# KiCad board traffic_paradise.kicad_pcb (continued)
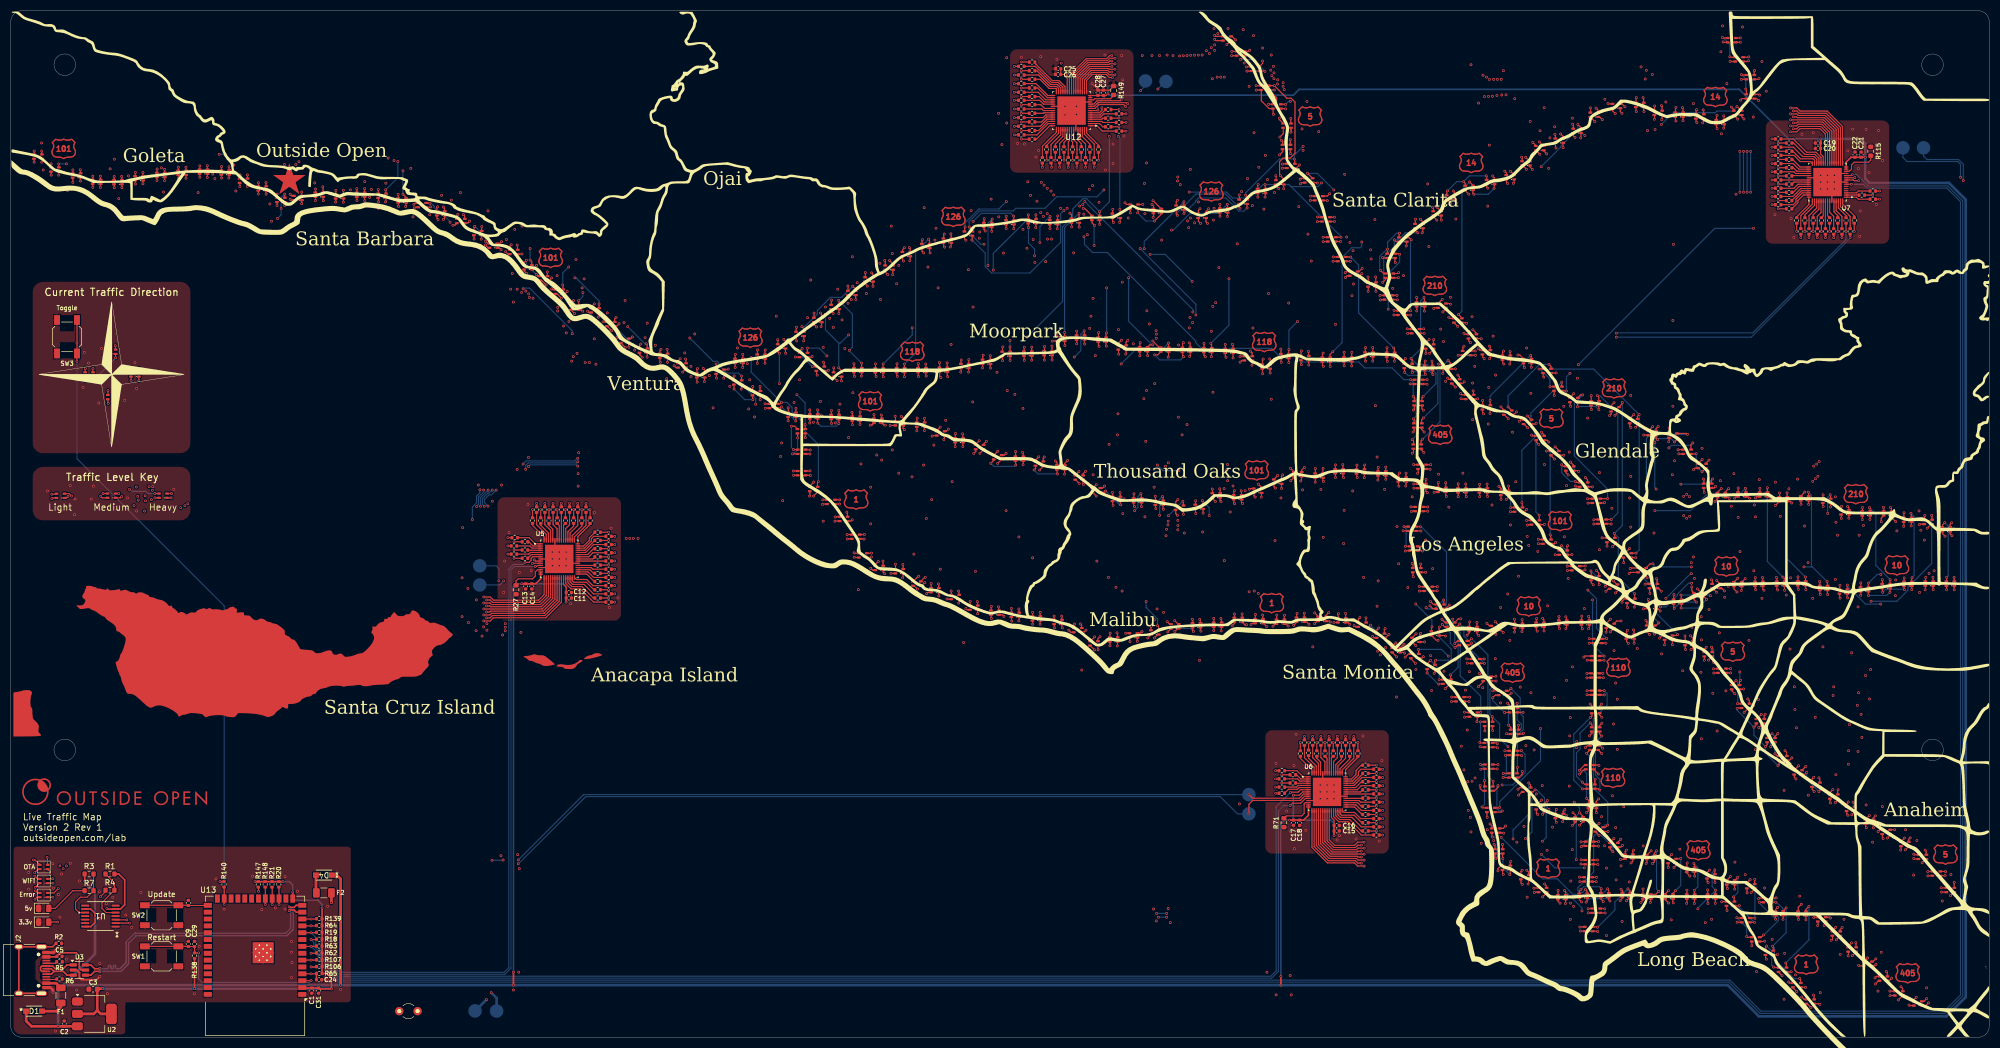
[diagram p0: board, top side]
## Routing (per net, layer and track width the routed paths; a pad name or vN(x,y) marks a point on that pad's centre or on a via; arc(x,y) is an arc through that point) (continued)
/Matrix 4/COL1: length 388.7
  Top w0.203: v1(181.45,126.33) 181.45,126.32 181.45,125.58 ; 166.6,145.55 166.6,146.2 v1(166.45,146.35) ; v1(317.33,170.78) 317.38,170.73 317.38,170.03 ; 228.54,182.73 229.3,182.73 v1(229.53,182.95) ; v1(245.2,152) 245.19,151.99 244.34,151.99 ; v1(193.95,152.22) 193.9,152.18 193.9,151.45 ; 225.4,153.65 225.4,154.32 v1(225.35,154.38) ; v1(257.27,145.12) 257.18,145.22 256.4,145.22 ; v1(248.43,126.95) 248.4,126.93 248.4,126.03 ; v1(283.15,165.95) 283.9,165.2 283.95,165.2 ; v1(214.46,128.65) 214.47,128.65 214.47,127.86 ; v1(203.99,180.94) 203.58,180.94 203.28,180.64 199.51,180.64 196.9,178.03 U12.22 ; 147.56,126.85 147.56,127.71 v1(147.58,127.72) ; v1(185.78,152.2) 185.8,152.18 185.8,151.45
  In1.Cu w0.203: 283.7,165.4 286.42,165.4 287.06,164.75 287.06,164.66 287.36,164.36 290.08,164.36 295.26,169.55 302.58,169.55 304.39,167.74 311.34,167.74 312.89,169.29 312.89,169.71 313.19,170.01 316.56,170.01 v1(317.33,170.78) ; 283.7,165.4 282.15,163.85 282.15,163.34 280.38,161.57 279.87,161.57 277.16,158.86 277.06,158.86 263.33,145.12 v1(257.27,145.12) ; 283.7,165.4 v1(283.15,165.95) ; v1(185.78,152.2) 185.78,165.8 190.3,170.32 190.3,176.25 v1(194.6,180.55) ; v1(198.78,152.55) 199.37,151.96 205.24,151.96 207.11,150.09 214.54,150.09 v1(215.03,149.6) ; v1(178.26,151.2) 171.3,151.2 v1(166.45,146.35) ; v1(245.2,152) 246.95,152 249.19,149.76 249.19,146.33 v1(248.65,145.79) ; v1(255.17,134.94) 248.43,128.2 v1(248.43,126.95)
  In2.Cu w0.203: v1(198.78,152.55) 198.46,152.22 v1(193.95,152.22) 193.36,151.64 186.34,151.64 v1(185.78,152.2) ; v1(181.45,126.33) 181.45,126.4 ; 181.45,126.4 181.81,126.77 193.79,126.77 194.12,127.1 197.32,127.1 199.62,124.8 v1(205.7,124.8) ; 181.45,126.4 180.54,127.31 174.61,127.31 174.02,126.72 151.63,126.72 v1(151.19,126.28) ; v1(214.46,128.65) 214.46,129.16 215.25,129.95 215.25,149.38 v1(215.03,149.6) ; v1(229.53,182.95) 229.53,183.21 227.38,185.36 226.41,185.36 225.92,184.87 225.92,183.68 225.06,182.83 225.06,181.3 224.41,180.64 205.07,180.64 204.78,180.94 v1(203.99,180.94) 194.99,180.94 v1(194.6,180.55) ; v1(225.35,154.38) 229.13,150.6 243.8,150.6 v1(245.2,152) ; v1(248.65,145.79) 249.31,145.12 v1(257.27,145.12)
  Bottom w0.203: v1(151.19,126.28) 149.75,127.72 v1(147.58,127.72) ; v1(257.27,145.12) 257.27,143.66 255.17,141.56 v1(255.17,134.94) ; v1(214.46,128.65) 213.1,127.29 208.19,127.29 v1(205.7,124.8) ; v1(215.03,149.6) 215.35,149.6 218.44,152.69 223.66,152.69 v1(225.35,154.38) ; v1(185.78,152.2) 185.26,152.71 179.78,152.71 v1(178.26,151.2)
/Matrix 4/COL2: length 385.8
  Top w0.203: v1(259.3,134.65) 259.28,134.67 258.41,134.67 ; 252.31,126.95 252.31,127.81 v1(252.3,127.83) ; 150.66,124.31 150.66,124.99 v1(150.53,125.12) ; v1(319.77,172.5) 320.55,171.73 320.62,171.73 ; U12.23 196.5,178.15 199.36,181 203.13,181 203.58,181.45 v1(204.56,181.45) ; 178.1,149.35 178.1,149.62 v1(177.55,150.18) ; 258.57,148.25 258.98,148.25 v1(259.43,147.8) ; v1(231.9,180.95) 231.9,180.5 231.28,179.88 ; 185.1,127.05 185.1,127.92 v1(185.1,127.93) ; v1(261.75,131.3) 261.72,131.26 260.95,131.26 ; 218.48,127.81 218.48,128.52 v1(218.3,128.7) ; v1(287.1,167.43) 287.55,166.98 287.55,166.57 ; 245.4,148.28 246.42,148.28 v1(246.43,148.28) ; 232.4,157.25 232.4,158 v1(232.35,158.05)
  In1.Cu w0.203: v1(218.3,156.65) 218.04,156.91 202.64,156.91 v1(202.5,157.05) ; v1(185.1,129.11) 185.1,142.18 v1(180.29,146.98) ; v1(261.75,131.3) 261.75,132.2 v1(259.3,134.65) 252.48,127.83 v1(252.3,127.83) ; v1(185.1,127.93) 185.1,127.37 188.19,124.27 206.02,124.27 209.03,127.27 216.88,127.27 v1(218.3,128.7) ; v1(283.3,168) 275.11,159.8 275.11,159.22 274.2,158.31 274.2,156.51 265.49,147.8 v1(259.43,147.8) ; v1(231.9,180.95) 234.4,180.95 237.1,178.25 237.1,174.95 237.64,174.41 237.64,171.79 236.5,170.65 236.5,169.74 243.04,163.2 243.04,158.59 v1(242.8,158.35) ; v1(247.47,148.31) 246.46,148.31 v1(246.43,148.28)
  In2.Cu w0.203: 287.1,168 293.48,168 295.11,169.64 305.36,169.64 305.77,169.23 v1(305.77,169.18) ; 287.1,168 v1(283.3,168) ; 287.1,168 v1(287.1,167.43) ; v1(231.9,180.95) 231.9,181.35 227.53,185.72 225.77,185.72 224.7,184.66 224.7,181.45 224.25,181 205.23,181 204.78,181.45 v1(204.56,181.45) ; v1(247.47,148.31) 258.91,148.31 v1(259.43,147.8) ; v1(150.53,125.12) 150.53,126.41 153.23,129.11 v1(185.1,129.11)
  Bottom w0.203: v1(202.5,157.05) 201.22,155.77 193.72,155.77 191.6,153.65 186.2,153.65 185.7,153.15 179.49,153.15 177.55,151.21 v1(177.55,150.18) 177.55,149.1 179.67,146.98 v1(180.29,146.98) ; 237.09,157.74 246.43,148.4 v1(246.43,148.28) ; 237.09,157.74 236.78,158.05 v1(232.35,158.05) 232,158.05 229.5,155.55 226.31,155.55 225.21,156.65 v1(218.3,156.65) ; 237.09,157.74 237.17,157.66 242.11,157.66 v1(242.8,158.35) ; v1(305.77,169.18) 307.95,171.36 315.75,171.36 316.06,171.67 318.94,171.67 v1(319.77,172.5) ; v1(259.3,134.65) 259.3,147.68 v1(259.43,147.8) ; v1(185.1,127.93) v1(185.1,129.11)
/Matrix 4/COL3: length 397.2
  Top w0.203: 196.1,175.19 196.1,178.26 199.21,181.37 202.98,181.37 203.58,181.96 v1(203.96,181.96) ; v1(153.38,124.08) 153.86,123.59 153.86,123.24 ; v1(189.15,127.9) 189.12,127.87 189.12,127.1 ; 261.51,121.87 262.37,121.87 v1(262.38,121.88) ; v1(256.2,127.72) 256.33,127.6 256.33,126.9 ; v1(261.12,151.6) 261.57,151.15 261.57,150.75 ; v1(248.23,144.6) 248.2,144.63 247.28,144.63 ; 322.93,174.78 323.85,174.78 v1(324,174.62) ; v1(162.8,143.95) 163.4,143.35 163.4,143.05 ; v1(222.3,128.6) 222.44,128.46 222.44,127.76 ; 201.7,152.25 v1(201.7,153.03) ; 290.88,168.4 290.88,168.6 v1(290.3,169.18) ; 233.06,176.38 234.08,176.38 v1(234.08,176.38) 236.4,174.05 237.18,174.05 237.9,173.33 237.9,163.85 237,162.95 235.7,162.95 235.04,162.29 235.04,159.84 v1(235.2,159.68) 235.8,159.07 235.8,158.85
  In1.Cu w0.203: v1(150.92,133.99) 153.02,136.09 153.56,136.09 155.92,138.44 156.84,138.44 158.92,140.52 159.64,140.52 162.8,143.68 v1(162.8,143.95) ; 249.6,146.84 249.6,145.98 v1(248.23,144.6) ; 249.6,146.84 249.6,150.25 243.8,156.05 243.8,156.56 243.26,157.1 238.64,157.1 236.06,159.68 v1(235.2,159.68) ; 249.6,146.84 256.36,146.84 v1(261.12,151.6) ; v1(189.15,127.9) 189.15,128.87 v1(188.24,129.77) ; v1(203.51,166.98) 202.74,167.75 202.74,180.74 v1(203.96,181.96)
  In2.Cu w0.203: v1(324,174.62) 320.49,171.11 320.49,169.96 319.61,169.07 317.11,169.07 316.68,168.64 316.68,168.28 316.31,167.91 305.8,167.91 304.82,168.89 295.39,168.89 293.62,167.12 v1(291.6,167.12) ; v1(261.12,151.6) 261.12,152.43 263.91,155.22 277.37,155.22 v1(283.5,161.35) ; v1(262.38,121.88) 261.77,121.88 259.91,123.74 259.61,123.74 256.2,127.15 v1(256.2,127.72) ; v1(234.08,176.38) 232.84,177.61 232.84,179.24 232.5,179.57 232.5,181.26 227.68,186.09 225.62,186.09 224.1,184.58 224.1,181.37 205.38,181.37 205.15,181.59 204.78,181.96 v1(203.96,181.96) ; v1(248.23,144.6) 246.88,144.6 242.88,140.6 v1(225.66,140.6) ; v1(155.21,130.18) 187.83,130.18 v1(188.24,129.77)
  Bottom w0.203: 290.47,168.25 290.3,168.42 v1(290.3,169.18) ; 290.47,168.25 290.22,168.25 287.06,165.09 287.06,164.91 v1(283.5,161.35) ; 290.47,168.25 v1(291.6,167.12) ; 153.38,128.66 153.68,128.66 v1(155.21,130.18) ; 153.38,128.66 150.92,131.12 v1(150.92,133.99) ; 153.38,128.66 v1(153.38,124.08) ; v1(248.23,144.6) 249.69,143.14 249.69,134.24 v1(256.2,127.72) ; v1(203.51,166.98) 203.51,154.83 v1(201.7,153.03) 199.32,155.41 198.61,155.41 196.71,153.51 196.71,152.06 194.85,150.2 194.85,136.38 v1(188.24,129.77) ; v1(222.3,128.6) 225.66,131.96 v1(225.66,140.6)
/Matrix 4/COL4: length 404
  Top w0.203: 157.62,124.05 157.62,124.93 v1(157.6,124.95) ; 235.24,172.92 236.08,172.92 v1(236.12,172.88) ; 226.4,127.61 226.4,128.32 v1(226.3,128.43) ; 197.7,175.19 197.7,177.81 199.81,179.92 v1(203.98,179.92) ; 294.05,171.38 294.05,171.82 v1(293.68,172.2) ; 249.47,141.93 249.78,141.93 v1(250.35,142.5) ; 205.5,152.65 205.5,153.4 v1(205.45,153.45) ; v1(261.65,118.78) 261.41,118.53 261.41,117.9 ; v1(259.4,125.8) 259.58,125.62 259.58,124.81 ; 264.95,153.1 v1(264.2,153.85) ; v1(323.05,179.2) 322.95,179.1 322.95,178.35 ; 192.88,127.2 192.88,128.1 v1(192.88,128.1) ; v1(261.8,137.12) 261.86,137.06 261.86,136.24 ; v1(153.35,136.6) 153.4,136.55 153.4,135.75
  In1.Cu w0.203: v1(203.98,179.92) 203.41,179.34 203.41,177.72 204.13,176.99 204.13,168 v1(205.16,166.97) ; v1(261.8,137.12) 261.28,136.61 259.52,136.61 254.54,141.59 251.26,141.59 v1(250.35,142.5) ; v1(302.77,177.61) 300.27,175.1 300.27,172.9 299.26,171.9 293.98,171.9 v1(293.68,172.2) ; v1(192.88,128.1) 193.9,129.12 198.65,129.12 202.62,133.09 212.26,133.09 212.52,132.83 218.57,132.83 218.72,132.98 221.75,132.98 v1(226.3,128.43)
  In2.Cu w0.203: v1(226.3,128.43) 233.45,128.43 236.04,125.84 240.01,125.84 245.33,120.51 259.91,120.51 v1(261.65,118.78) ; v1(293.68,172.2) 293.19,171.72 283.79,171.72 280.31,175.19 238.76,175.19 v1(237.04,173.47) ; 245.71,150.83 245.71,149.71 246.94,148.49 246.94,146.71 250.35,143.3 v1(250.35,142.5) ; 245.71,150.83 247.8,148.75 256.28,148.75 257.06,149.54 259.89,149.54 v1(264.2,153.85) ; 245.71,150.83 245.71,152.21 244.39,153.54 244.39,155.26 243.8,155.85 243.8,158.1 238,163.9 238,170.97 236.12,172.85 v1(236.12,172.88) 234.35,174.65 229.5,174.65 227.87,176.27 227.87,178.63 226.59,179.92 v1(203.98,179.92) ; v1(192.88,128.1) 192.09,127.31 181.12,127.31 180.76,127.68 155.69,127.68 v1(155.33,127.32) ; v1(323.05,179.2) 320.4,179.2 318.81,177.61 v1(302.77,177.61)
  Bottom w0.203: v1(236.12,172.88) 236.72,173.47 v1(237.04,173.47) ; v1(261.65,118.78) 264,121.12 264,123.04 262.32,124.72 260.48,124.72 v1(259.4,125.8) 261.16,127.56 261.16,136.49 v1(261.8,137.12) ; v1(205.16,166.97) 205.45,166.68 v1(205.45,153.45) ; v1(157.6,124.95) 155.33,127.22 v1(155.33,127.32) 155.9,127.89 155.9,134.05 v1(153.35,136.6)
/Matrix 4/COL5: length 388.4
  Top w0.203: v1(195.21,130.6) 195.21,129.84 ; 237.12,169.36 237.12,170.3 v1(237.12,170.3) ; v1(299.02,172.45) 298.48,173 298.15,173 ; v1(252.82,140.93) 252.87,140.88 252.87,139.9 ; 320.88,181.65 321.93,181.65 v1(321.98,181.7) ; v1(261.68,114.78) 261.36,114.45 261.36,113.79 ; v1(266.73,135.88) 266.61,135.99 265.83,135.99 ; v1(229.62,127.18) 229.96,126.84 229.96,126.24 ; v1(267.23,156.85) 267.43,156.65 267.43,156.07 ; v1(263.27,125.33) 263.34,125.26 263.34,124.46 ; v1(204.55,179.4) 203.5,179.4 203.35,179.55 199.96,179.55 198.1,177.69 198.1,175.19 ; v1(209.7,154.35) 208.8,154.35 ; v1(197.9,152.74) 197.9,151.75 ; 161.58,124 161.58,124.76 v1(161.6,124.78)
  In1.Cu w0.203: v1(263.27,125.33) 266.92,128.97 266.92,135.68 v1(266.73,135.88) ; v1(229.62,127.18) 228.94,127.86 ; 228.94,127.86 228.94,130.29 v1(230.1,131.45) ; 228.94,127.86 224.09,127.86 220,131.95 218.72,131.95 218.57,132.1 211.03,132.1 v1(210.92,132.21) ; v1(209.7,154.35) 209.4,154.05 207.35,154.05 205.63,152.33 200.42,152.33 199.65,153.1 198.26,153.1 v1(197.9,152.74) ; v1(255.21,142.34) 255.21,144.43 260.97,150.18 261.31,150.18 267.07,155.94 267.07,156.85 ; 267.07,156.85 v1(267.23,156.85) 268.14,156.85 269.69,158.4 269.69,158.74 283.76,172.81 295.26,172.81 295.62,172.45 v1(299.02,172.45) 299.02,175.25 v1(302.99,179.22) ; 267.07,156.85 266.53,157.39 265.24,157.39 257.39,149.54 257.06,149.54 254.73,147.2 251.75,147.2 250.63,148.32 250.63,150.24 244.82,156.05 244.82,156.56 243.4,157.99 243.4,163.35 237.12,169.62 v1(237.12,170.3)
  In2.Cu w0.203: v1(252.82,140.93) 254.15,140.93 255.15,141.92 ; v1(237.12,170.3) 233.14,174.29 229.35,174.29 227.51,176.12 227.51,178.48 226.44,179.55 204.7,179.55 v1(204.55,179.4) ; 255.15,141.92 255.21,141.99 v1(255.21,142.34) ; 255.15,141.92 259.06,138.01 263.21,138.01 265.35,135.88 v1(266.73,135.88) ; v1(230.1,131.45) 255.02,131.45 260.26,126.21 262.39,126.21 v1(263.27,125.33) ; v1(210.92,132.21) 196.82,132.21 v1(195.21,130.6) 194.33,131.48 v1(166.99,131.48) ; v1(321.98,181.7) 320.45,181.7 317.97,179.22 v1(302.99,179.22)
  Bottom w0.203: v1(161.6,124.78) 166.99,130.17 v1(166.99,131.48) ; v1(263.27,125.33) 263.27,124.68 264.36,123.59 264.36,117.46 v1(261.68,114.78) ; v1(197.9,152.74) 195.21,150.05 v1(195.21,130.6)
/Matrix 4/COL6: length 398.2
  Top w0.203: v1(270.25,158.53) 270.85,157.93 270.85,157.82 ; 198.87,130.1 198.87,130.9 v1(198.85,130.93) ; v1(165.55,124.78) 165.55,124.77 165.55,124.05 ; v1(256.8,137.5) 256.79,137.51 255.92,137.51 ; 261.25,109.88 261.25,110.55 v1(261.55,110.85) ; 268.77,133.25 268.77,133.38 v1(268.2,133.95) ; v1(203.97,178.89) 203.5,178.89 203.2,179.19 200.11,179.19 198.5,177.58 U12.18 ; v1(170.03,147.93) 170.2,147.75 170.2,147.05 ; v1(237.02,166.35) 237.02,165.4 ; 266.74,124.66 266.74,124.94 v1(266.25,125.43) ; v1(217.33,154.85) 217.3,154.82 217.3,154.15 ; 233.26,124.71 233.26,125.66 v1(233.2,125.73) ; 319.5,185.2 320.38,185.2 v1(320.4,185.23) ; v1(302.38,174.15) 302.48,174.05 302.48,173.2
  In1.Cu w0.203: v1(302.38,174.15) 314.08,185.86 319.77,185.86 v1(320.4,185.23) ; v1(270.25,158.53) v1(281.47,169.74) ; v1(268.2,133.95) 267.54,133.29 267.54,126.71 v1(266.25,125.43) ; v1(198.85,130.93) 196.9,132.88 v1(196.9,145.39) ; v1(233.2,125.73) 234.21,125.73 236.73,128.24 v1(236.73,136.09) ; v1(220.01,154.82) 229.57,164.38 234.86,164.38 236.82,166.35 v1(237.02,166.35) 237.43,166.35 v1(239.39,164.38)
  In2.Cu w0.203: 258.04,136.19 258.04,136.26 v1(256.8,137.5) ; 258.04,136.19 257.93,136.09 v1(236.73,136.09) ; 258.04,136.19 264.17,136.19 265.2,135.16 266.99,135.16 v1(268.2,133.95) ; v1(239.39,164.38) 239.39,163.53 244.46,158.46 245.8,157.13 245.8,153.15 249.44,149.51 256.01,149.51 256.76,150.26 257.63,150.26 266.45,159.09 269.69,159.09 v1(270.25,158.53) ; v1(209.97,146.15) 209.21,145.39 v1(196.9,145.39) ; v1(217.33,154.85) 220.01,154.85 v1(220.01,154.82) ; v1(281.47,169.74) 292.42,169.74 295.24,172.56 298.36,172.56 298.88,173.07 301.3,173.07 v1(302.38,174.15) ; v1(165.55,124.78) 166.97,126.2 175.89,126.2 176.64,126.95 180.33,126.95 180.84,126.44 180.84,126.21 181.24,125.8 183.17,125.8 183.74,126.37 193.82,126.37 194.12,126.07 v1(197.01,126.07) ; v1(203.97,178.89) 204.9,178.89 205.2,179.19 226.29,179.19 227.15,178.33 227.15,175.97 229.19,173.92 232.78,173.92 236.64,170.06 236.64,166.73 v1(237.02,166.35)
  Bottom w0.203: v1(270.25,158.53) 268.82,157.09 268.82,134.57 v1(268.2,133.95) ; v1(209.97,146.15) 209.97,147.5 v1(217.33,154.85) ; v1(165.55,124.78) 167.61,126.84 167.61,145.51 v1(170.03,147.93) ; v1(198.85,130.93) 198.23,130.3 198.23,127.29 v1(197.01,126.07) ; v1(266.25,125.43) 264.76,123.94 264.76,114.06 v1(261.55,110.85)
/Matrix 4/COL7: length 387.7
  Top w0.203: 169.51,124.05 169.51,124.77 v1(169.5,124.78) ; v1(236.78,127.47) 236.72,127.42 236.72,126.64 ; v1(274.52,159.62) 274.82,159.32 274.82,158.9 ; 229,155.25 229,155.82 v1(228.75,156.07) ; 262.12,106.12 263.02,106.12 v1(263.02,106.12) ; v1(146.55,131.7) 146.9,131.35 146.9,130.75 ; 270.4,127.2 271.27,127.2 v1(271.27,127.2) ; v1(203,130.55) 202.88,130.43 202.88,129.69 ; U12.17 198.9,177.46 200.26,178.83 203.05,178.83 203.49,178.38 v1(204.56,178.38) ; v1(155.98,139.2) 156.5,138.68 156.5,138.35 ; 271.46,130.3 271.46,130.51 v1(270.85,131.12) ; 237.83,161.9 237.83,162.72 v1(237.78,162.78) ; v1(305.8,172.68) 305.9,172.57 305.9,171.73
  In1.Cu w0.203: v1(203,130.55) 205.17,132.72 212.02,132.72 212.28,132.46 v1(218.93,132.46) ; v1(169.5,124.78) 171.78,127.05 v1(171.78,138.89) ; v1(238.37,132.64) 238.37,147.27 v1(232.14,153.49) ; v1(284.05,172.28) 284.05,170.72 274.52,161.19 v1(274.52,159.62) ; v1(263.02,106.12) 263.02,120.02 266.82,123.82 266.82,123.96 270.06,127.2 v1(271.27,127.2) 271.27,130.7 v1(270.85,131.12)
  In2.Cu w0.203: v1(305.8,172.68) 303.78,174.69 286.47,174.69 v1(284.05,172.28) ; v1(274.52,159.62) 273.99,160.16 267.01,160.16 257.48,150.63 256.61,150.63 255.86,149.88 249.59,149.88 246.16,153.3 246.16,157.29 239.91,163.54 239.91,164.62 v1(239.4,165.12) ; v1(228.75,156.07) 229.4,156.07 231.98,153.49 v1(232.14,153.49) ; v1(218.93,132.46) 219.1,132.64 v1(238.37,132.64) 261.14,132.64 263.86,129.92 269.65,129.92 v1(270.85,131.12) ; v1(237.78,162.78) 237.28,162.78 236.28,163.77 236.28,167 235.25,168.03 234.57,168.03 226.78,175.82 226.78,178.18 226.14,178.83 205.5,178.83 205.06,178.38 v1(204.56,178.38) ; v1(155.98,139.2) 156.52,138.65 160.02,138.65 160.26,138.89 v1(171.78,138.89) 173.29,140.4 179.1,140.4 181.39,142.69 199.2,142.69 v1(203,138.89)
  Bottom w0.203: v1(155.98,139.2) 153.91,137.14 151.84,137.14 149.4,134.69 149.4,134.03 147.07,131.7 v1(146.55,131.7) ; v1(239.4,165.12) 237.78,163.5 v1(237.78,162.78) 235.03,162.78 228.75,156.5 v1(228.75,156.07) ; v1(236.78,127.47) 236.78,131.05 v1(238.37,132.64) ; v1(203,130.55) v1(203,138.89)
/Matrix 4/COL8: length 415.5
  Top w0.203: 263.54,128.42 263.54,129.24 v1(263.6,129.3) ; 206.6,128.25 206.6,128.82 v1(206.93,129.15) ; 241.14,159.2 240.2,160.14 v1(240.2,160.15) ; v1(277.82,160.5) 278.48,159.85 278.48,159.8 ; 135.6,125.75 v1(135.6,126.58) ; v1(211.6,155.05) 213.1,153.55 ; 174.2,148.05 174.2,148.85 v1(174.15,148.9) ; v1(309.68,172.3) 309.77,172.2 309.77,171.4 ; v1(173.45,124.98) 173.47,124.95 173.47,124.1 ; v1(240.38,127.1) 240.43,127.05 240.43,126.29 ; 143.5,128.45 143.5,129.05 v1(143.2,129.35) ; v1(204.1,177.87) 203.49,177.87 202.9,178.46 200.41,178.46 199.3,177.35 199.3,175.19 ; 189.9,151.65 v1(189.9,152.45)
  In1.Cu w0.203: v1(240.2,160.15) 238.88,160.15 236.65,162.38 229.93,162.38 219.85,152.3 219.85,150.69 218.25,149.09 215.7,149.09 ; 215.7,149.09 215.7,148.85 214.6,147.75 v1(213.2,147.75) ; 215.7,149.09 215.7,150.05 215.3,150.45 211.9,150.45 210.79,151.56 210.79,154.46 211.38,155.05 v1(211.6,155.05) 211.2,155.45 192.7,155.45 190.61,153.36 190.59,153.36 189.9,152.67 v1(189.9,152.45) 189.11,151.66 183.42,151.66 v1(183.03,152.05) ; v1(173.45,124.98) 178.26,129.79 v1(178.26,130.94) v1(178.26,135.34) ; v1(277.82,160.5) 279.38,162.06 280.36,162.06 281.66,163.36 281.66,164.55 282.55,165.44 282.55,166.1 283.14,166.69 v1(285.13,166.69) ; v1(206.93,129.15) 207.34,129.56 212.19,129.56 v1(212.2,129.55) 216.4,129.55 v1(218.33,131.48) ; v1(240.38,127.1) v1(245.4,132.13)
  In2.Cu w0.203: v1(183.03,152.05) 181.58,150.6 178.73,150.6 177.03,148.9 v1(174.15,148.9) ; v1(263.6,129.3) 263.01,129.89 257.93,129.89 255.69,132.13 v1(245.4,132.13) 245.32,132.05 219.24,132.05 219.14,131.95 218.8,131.95 v1(218.33,131.48) ; v1(213.2,147.75) 213.43,147.52 213.43,130.78 v1(212.2,129.55) ; v1(178.26,135.34) 158.37,135.34 153.05,130.02 143.87,130.02 v1(143.2,129.35) 142.19,128.34 137.36,128.34 v1(135.6,126.58) ; v1(240.2,160.15) 239.39,160.15 235.91,163.62 235.91,166.84 235.08,167.67 234.42,167.67 226.4,175.69 226.4,178.05 225.99,178.46 205.65,178.46 205.06,177.87 v1(204.1,177.87) ; v1(178.26,130.94) 178.44,131.12 194.04,131.12 194.51,130.65 194.51,130.57 195.06,130.02 201.85,130.02 203.23,128.64 206.41,128.64 v1(206.93,129.15) ; v1(309.68,172.3) 306.04,168.67 305.56,168.67 304.97,169.25 295.24,169.25 293.63,167.64 289.62,167.64 288.88,166.89 286.46,166.89 286.26,166.69 v1(285.13,166.69) ; v1(277.82,160.5) 275.21,157.89 265.76,157.89 257.78,149.9 256.91,149.9 256.16,149.15 247.91,149.15 246.08,150.98 246.08,152.36 245.1,153.34 v1(245.1,157.05)
  Bottom w0.203: v1(240.2,160.15) 240.24,160.11 242.04,160.11 v1(245.1,157.05)
/Matrix 4/ROW0: length 2.9
  Top w0.203: R150.1 202.3,170.35 202.1,170.15 U12.4
/Matrix 4/ROW1: length 3.3
  Top w0.203: U12.6 201.79,170.95 202.79,171.95 R151.1
/Matrix 4/ROW2: length 5.1
  Top w0.203: R152.1 202.5,171.15 201.9,170.55 U12.5
/Matrix 4/ROW3: length 5.3
  Top w0.203: R153.1 202.2,167.95 201.2,168.95 U12.1
/Matrix 4/ROW4: length 4.9
  Top w0.203: U12.3 202.1,169.75 202.3,169.55 R154.1
/Matrix 4/ROW5: length 3.1
  Top w0.203: U12.2 201.7,169.35 202.3,168.75 R155.1
/Matrix 4/ROW6: length 3.8
  Top w0.203: R156.1 199.9,165.55 198.5,166.95 U12.58
/Matrix 4/ROW7: length 6
  Top w0.203: R157.1 200.7,165.55 198.9,167.35 U12.59
/Matrix 4/ROW8: length 4.2
  Top w0.203: 199.3,168.31 199.3,167.55 201.5,165.35 R158.1
/Matrix 4/ROW9: length 5.5
  Top w0.203: R159.1 197.5,165.75 196.9,166.35 U12.54
/Matrix 4/ROW10: length 3.5
  Top w0.203: R160.1 198.3,165.65 197.7,166.25 197.7,168.31
/Matrix 4/ROW11: length 5.7
  Top w0.203: R161.1 199.1,165.55 198.1,166.55 198.1,168.31
/Matrix 4/ROW12: length 3.5
  Top w0.203: 195.7,168.31 195.7,166.45 195.1,165.85 R162.1
/Matrix 4/ROW13: length 5.3
  Top w0.203: R163.1 195.9,165.95 196.1,166.15 196.1,168.31
/Matrix 4/ROW14: length 3.3
  Top w0.203: U12.53 196.5,166.15 196.7,165.95 R164.1
/Matrix 4/ROW15: length 6
  Top w0.203: U12.48 194.5,167.25 192.7,165.45 R165.1
/Matrix 4/ROW16: length 3.8
  Top w0.203: U12.49 194.9,166.95 193.5,165.55 R166.1
/Matrix 4/ROW17: length 5.7
  Top w0.203: U12.50 195.3,166.65 194.3,165.65 R167.1
/Matrix 4/ROW18: length 4.4
  Top w0.203: 189.7,166.45 190,166.45 192.5,168.95 U12.45
/Matrix 4/ROW19: length 4.2
  Top w0.203: R169.1 191.9,165.35 194.1,167.55 194.1,168.31
/Matrix 4/ROW20: length 6.3
  Top w0.203: U12.46 193.7,167.75 191.1,165.15 R170.1
/Matrix 4/ROW21: length 3.4
  Top w0.203: 189.7,171.25 191.3,171.25 191.4,171.35 U12.39
/Matrix 4/ROW22: length 5.6
  Top w0.203: U12.40 191.75,170.95 191.25,170.45 R172.1
/Matrix 4/ROW23: length 3.7
  Top w0.203: U12.41 191.86,170.55 190.96,169.65 189.7,169.65
/Matrix 4/ROW24: length 5.9
  Top w0.203: R174.1 190.67,168.85 191.97,170.15 U12.42
/Matrix 4/ROW25: length 4.1
  Top w0.203: 189.7,168.05 190.39,168.05 192.09,169.75 U12.43
/Matrix 4/ROW26: length 6.2
  Top w0.203: U12.44 192.2,169.35 190.1,167.25 R176.1
/Matrix 4/ROW27: length 8.1
  Top w0.203: R177.1 190.37,178.35 192.5,176.21 193.75,176.21 194.1,175.86 194.1,175.19
/Matrix 4/ROW28: length 5.3
  Top w0.203: U12.30 193.7,175.75 193.6,175.85 192.35,175.85 190.65,177.55 R178.1
/Matrix 4/ROW29: length 6.3
  Top w0.203: R179.1 189.91,176.75 192.11,174.55 U12.31
/Matrix 4/ROW30: length 4.1
  Top w0.203: R180.1 190.2,175.95 192,174.15 U12.32
/Matrix 4/ROW31: length 5.9
  Top w0.203: U12.33 191.7,173.75 190.3,175.15 R181.1
/Matrix 4/ROW32: length 3.8
  Top w0.203: U12.34 191.5,173.35 190.5,174.35 R182.1
/Matrix 4/ROW33: length 5.6
  Top w0.203: U12.35 191.3,172.95 190.6,173.65 R183.1
/Matrix 4/ROW34: length 3.6
  Top w0.203: 189.7,172.85 190.8,172.85 191.5,172.15 U12.37
/Matrix 4/ROW35: length 5.5
  Top w0.203: R185.1 191,172.05 191.3,171.75 U12.38
/Matrix 4/ROW36: length 8.6
  Top w0.203: R186.1 189.71,180.54 189.94,180.31 189.95,180.31 192.96,177.3 194.2,177.3 195.3,176.2 U12.26
/Matrix 4/ROW37: length 9.7
  Top w0.203: R187.1 189.8,179.95 192.81,176.94 194.05,176.94 194.9,176.09 U12.27
/Matrix 4/ROW38: length 6.9
  Top w0.203: U12.28 194.5,175.98 193.9,176.58 192.66,176.58 190.08,179.15 R188.1
/PHOTO: length 24.2
  Top w0.203: 56.64,11.81 56.58,11.75 v1(55.63,11.75) U13.4
  Top w0.29: C24.2 56.62,11.8 56.64,11.81
  In2.Cu w0.305: v1(55.63,11.75) 66.95,11.75 71.96,6.74 R108.1
/SCL1: length 310
  Top w0.203: R20.2 49.7,27.78 U13.17 v1(49.7,24.6) ; v1(96.62,87.81) 96.66,87.85 U5.10 ; v1(229.36,41.41) 229.36,43.18 230.07,43.9 238.9,43.9 239.67,44.67 U6.10 ; v1(22,21.15) U1.2
  In1.Cu w0.203: v1(49.7,24.6) 49.7,23.72 47.36,21.39 22.24,21.39 v1(22,21.15)
  In2.Cu w0.203: v1(49.7,24.6) 49.7,30.23 51.15,31.68 89.03,31.68 ; 91.06,84.33 91.06,83.97 90.09,83 90.09,32.74 89.03,31.68 ; 91.06,84.33 91.06,84.59 ; 91.06,84.33 v1(91.31,84.59) ; 91.06,84.59 v1(91.31,84.59) ; 91.06,84.59 91.06,84.84 ; v1(91.31,84.59) 91.06,84.84 ; 91.06,84.84 91.06,85.73 92.38,87.05 95.65,87.05 96.41,87.81 v1(96.62,87.81) ; 89.03,31.68 93.53,31.68 v1(94,32.15)
  Bottom w0.203: v1(229.36,41.41) 227.24,41.41 224.05,44.6 106.5,44.6 94.05,32.15 v1(94,32.15) ; v1(91.31,84.59) 90.55,83.82 TP5.1
/SCL2: length 684.5
  Top w0.2: v1(341.6,159.35) 341.55,159.3 U7.10
  Top w0.203: U13.11 v1(55.63,20.64) 56.58,20.64 56.64,20.7 ; v1(206.93,173.02) 206.72,173.22 201.39,173.22 200.71,172.55 U12.10 ; 361.28,159.3 v1(361.19,159.4)
  In1.Cu w0.203: v1(209.3,175.45) 209.3,175.06 207.26,173.02 v1(206.93,173.02)
  In2.Cu w0.2: v1(341.6,159.35) 361.14,159.35 v1(361.19,159.4) 362.05,159.4 362.21,159.24 362.21,9.16 357.71,4.66 327.99,4.66 319.99,12.65 225.23,12.65 215.63,22.25 v1(214.12,22.25) ; v1(55.63,20.64) 56.3,21.31 56.3,25.75 57.5,26.95 62.7,26.95 67.4,22.25 v1(212.6,22.25)
  In2.Cu w0.203: v1(209.3,175.45) 209.3,175.39 ; v1(206.93,173.02) 208.14,171.8 211.39,171.8 215.4,167.79 215.4,158.05 215.5,157.95 215.5,151.36 215.97,150.89 215.97,129.62 215.46,129.11 215.46,79.31 213.3,77.15 213.3,22.93 212.62,22.25 v1(212.6,22.25)
  Bottom w0.2: v1(214.12,22.25) v1(212.6,22.25)
  Bottom w0.203: TP14.1 210.2,176.35 v1(209.3,175.45) ; v1(361.19,159.4) 361.19,161.8 360.68,162.31 351.28,162.31 350.52,163.07 TP7.1
/SDA1: length 307.4
  Top w0.2: 229.81,44.52 v1(229.36,44.96)
  Top w0.203: v1(96.95,88.47) 97.17,88.25 U5.9 ; 229.81,44.52 230.02,44.3 238.73,44.3 239.5,45.07 U6.9 ; U1.3 19.47,21.75 v1(21.5,21.75) ; v1(48.43,24.6) U13.18 48.43,27.78 R21.2
  In1.Cu w0.203: v1(48.43,24.6) 48.43,24.08 46.1,21.75 v1(21.5,21.75)
  In2.Cu w0.203: 90.65,84.81 90.65,85.9 91.8,87.05 92.22,87.46 95.48,87.46 96.49,88.47 v1(96.95,88.47) ; 90.65,84.81 90.65,84.59 ; 90.65,84.81 v1(90.42,84.59) ; 90.65,84.59 90.65,84.36 ; 90.65,84.59 v1(90.42,84.59) ; 90.65,84.36 89.73,83.43 89.73,33.38 88.39,32.04 50.2,32.04 48.39,30.23 48.39,24.64 v1(48.43,24.6) ; 90.65,84.36 v1(90.42,84.59) ; v1(91.2,32.85) v1(94,32.85)
  Bottom w0.203: TP6.1 89.92,87.38 90.42,86.87 v1(90.42,84.59) ; v1(229.36,44.96) 106.11,44.96 v1(94,32.85) ; v1(91.2,32.85) 91.15,32.8 v1(89.15,32.8)
/SDA2: length 682.9